# Altium PCB openmv-ae3.PcbDoc (part 2 of 7)
Units mil, origin at the board's own origin, x right, y up, seen from the top; angles counter-clockwise.
Board outline 1001 x 1001 mil, 8 copper layers (TOP, ART2, GND3, ART4, VCC5, GND6, ART7, BOTTOM), stack 65.6 mil thick; 246 components, 168 nets, 1013 pads, 1766 vias.
Unrouted connection lines stored in the file: 233.
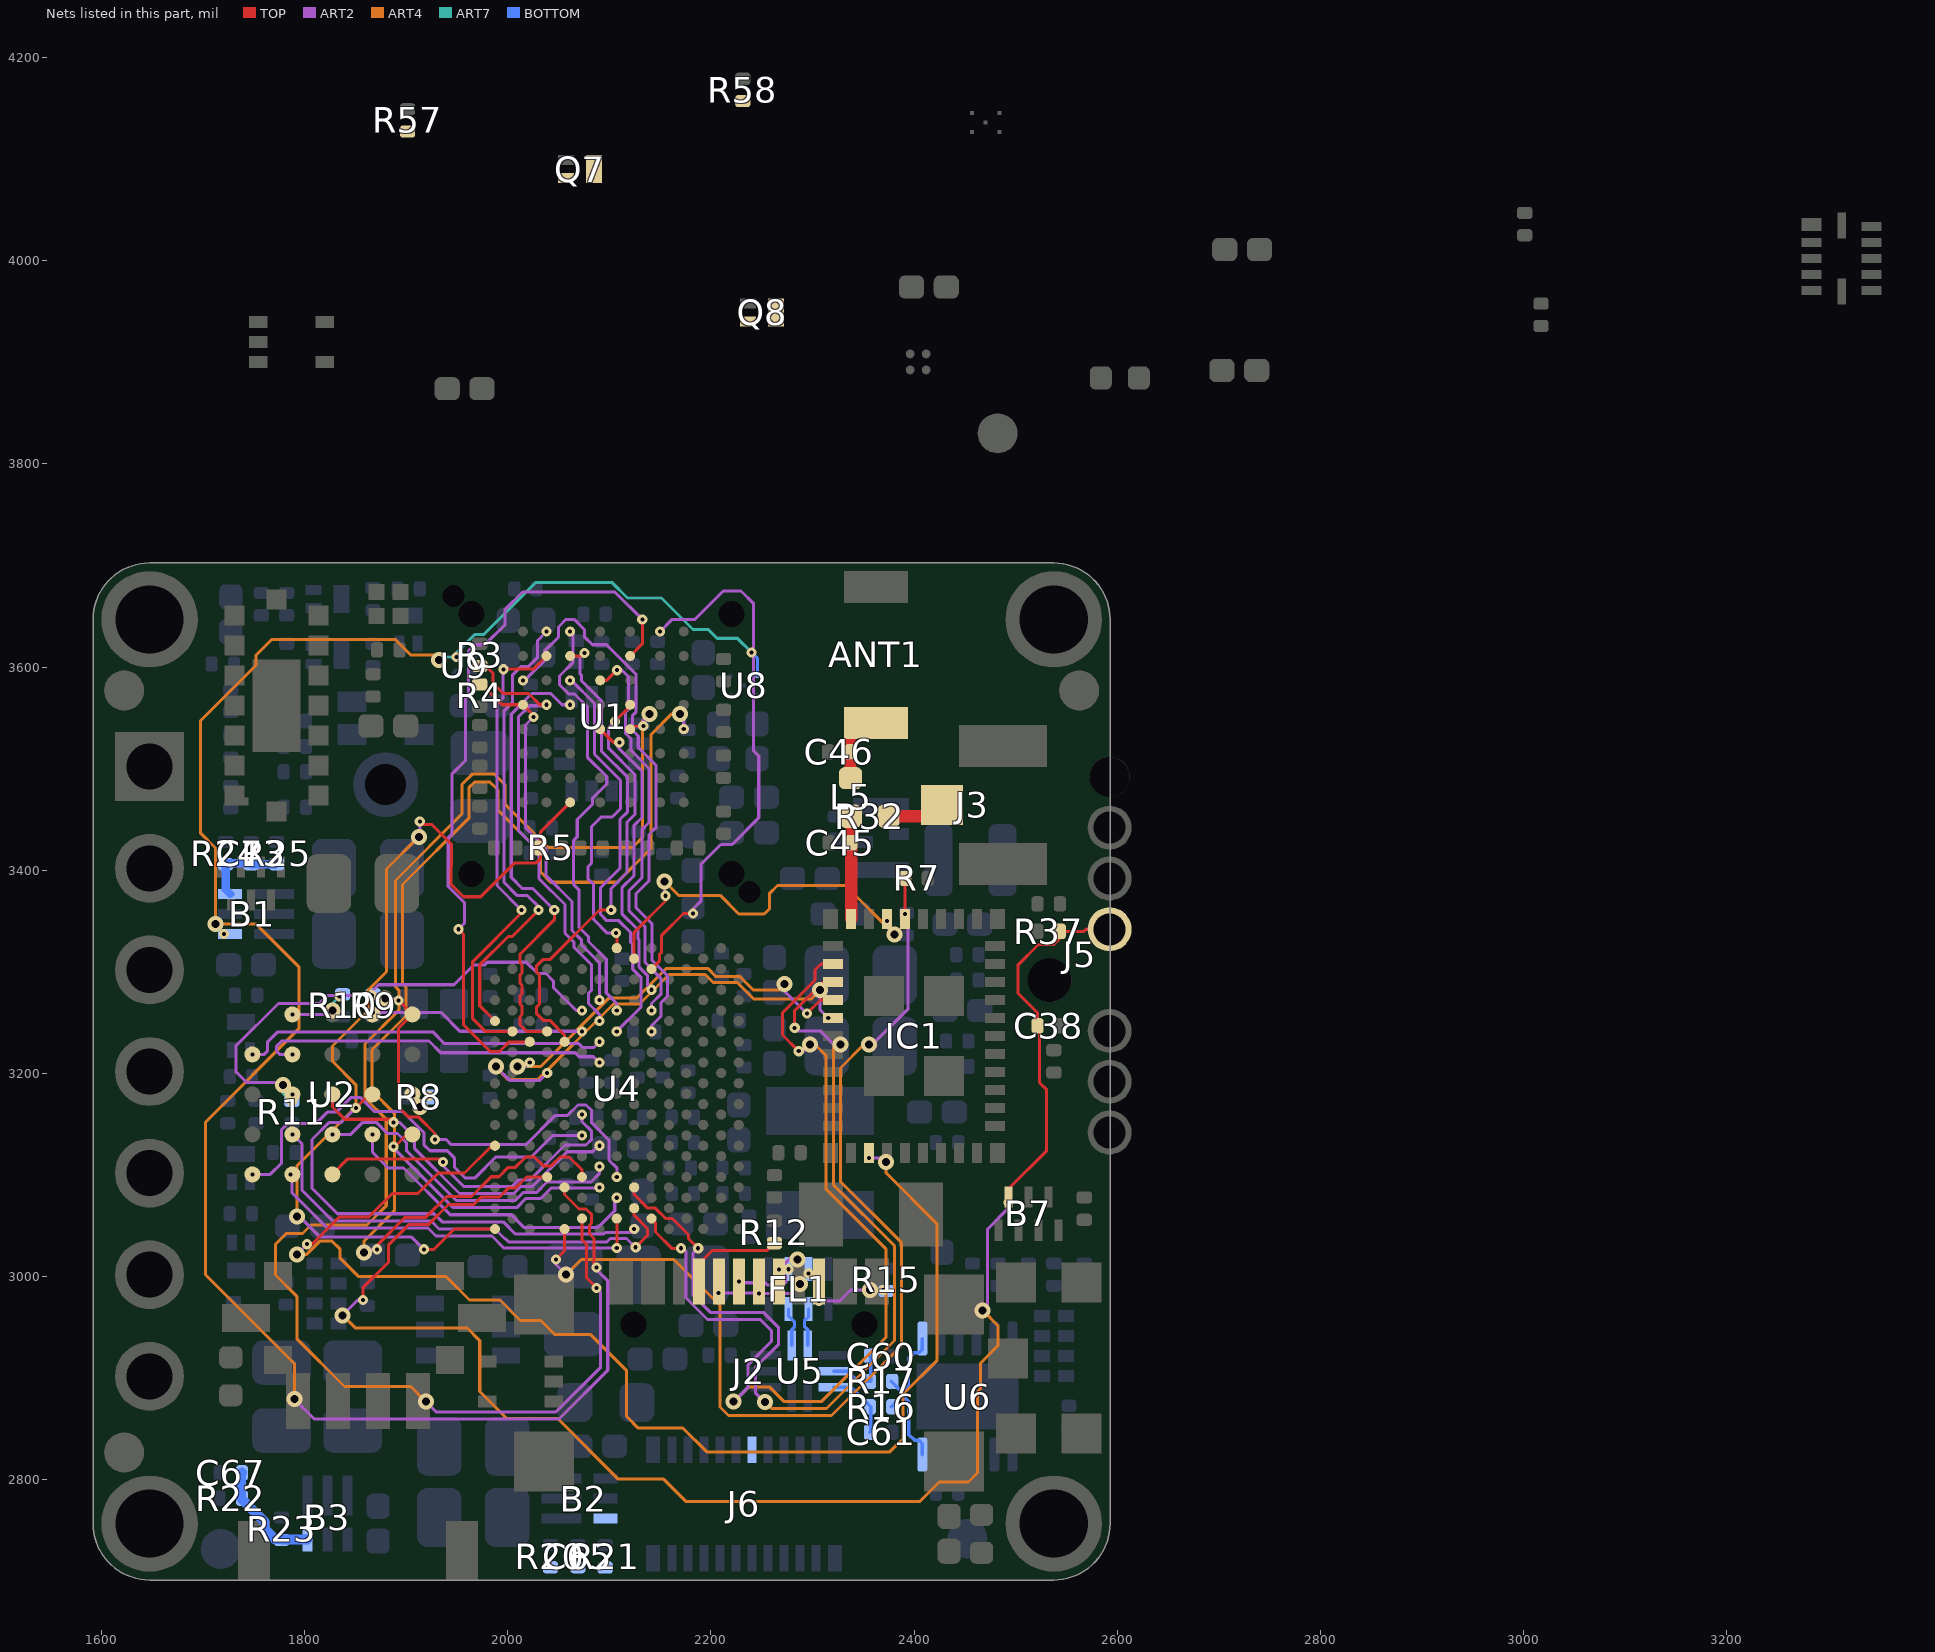
[diagram p8: the nets of this part, all layers, seen from the top]

## Part data
ANT1: "ABRACON - AMCA31-2R450G-S1F-T3 - ANTENNA, CHIP, 2.45GHZ, 50 OHM, 1206   Source:  Datasheet", MANUFACTURER_NAME=ABRACON, DeviceSetName=AMCA31-2R450G-S1F-T3, GateName_1=G$1, HEIGHT=1.4mm, LibraryName=AMCA31-2R450G-S1F-T3, MANUFACTURER_PART_NUMBER=AMCA31-2R450G-S1F-T3, MOUSER_PART_NUMBER=815-CA312R450GS1FT3, MOUSER_PRICE-STOCK=https://www.mouser.co.uk/ProductDetail/ABRACON/AMCA31-2R450G-S1F-T3?qs=AAveGqk956GLuOddQEK40Q%3D%3D, MPN=AMCA31-2R450G-S1F-T3, Part Number=AMCA31-2R450G-S1F-T3, SymbolName_1=AMCA31-2R450G-S1F-T3
B1 B3: library part TPS62826ADMQR, "Switching Voltage Regulators 2.4-V to 5.5-V input, 1-A step-down converter in 1.5-mm 1.5-mm QFN package", MANUFACTURER_NAME="Texas Instruments", Mouser Part Number=595-TPS62824DMQR, Datasheet Link=https://www.ti.com/lit/ds/symlink/tps62825a.pdf?ts=1608196934558&ref_url=https%253A%252F%252Fwww.ti.com%252Fstore%252Fti%252Fen%252Fp%252Fproduct%252F%253Fp%253DTPS62825ADMQR%2526keyMatch%253DTPS62825ADMQR%2526tisearch%253DSearch-EN-everything%2526usecase, Geometry.Height=1mm, MANUFACTURER_PART_NUMBER=TPS62824DMQR, Mouser Price/Stock=https://www.mouser.co.uk/ProductDetail/Texas-Instruments/TPS62826ADMQR?qs=KUoIvG%2F9Ila3pPUbedlDEw%3D%3D, MPN=TPS62824DMQR, Part Number=TPS62824DMQR
B2: library part TPS62826ADMQR, "Switching Voltage Regulators 2.4-V to 5.5-V input, 3-A step-down converter with in 1.5-mm 1.5-mm QFN package", MANUFACTURER_NAME="Texas Instruments", MANUFACTURER_PART_NUMBER=TPS62826DMQR, Mouser Part Number=595-TPS62826DMQR, Datasheet Link=https://www.ti.com/lit/ds/symlink/tps62825a.pdf?ts=1608196934558&ref_url=https%253A%252F%252Fwww.ti.com%252Fstore%252Fti%252Fen%252Fp%252Fproduct%252F%253Fp%253DTPS62825ADMQR%2526keyMatch%253DTPS62825ADMQR%2526tisearch%253DSearch-EN-everything%2526usecase, Geometry.Height=1mm, Mouser Price/Stock=https://www.mouser.co.uk/ProductDetail/Texas-Instruments/TPS62826ADMQR?qs=KUoIvG%2F9Ila3pPUbedlDEw%3D%3D, MPN=TPS62824DMQR, Part Number=TPS62824DMQR
B4 B7: "NEXPERIA - PUSB3TB6AZ - DIODE, ESD PROTECTION, 5.5V, 0.27PF", MANUFACTURER_NAME=Nexperia, Mouser Part Number=771-PUSB3TB6AZ, Datasheet Link=https://assets.nexperia.com/documents/data-sheet/PUSB3TB6.pdf, Geometry.Height=0.5mm, MANUFACTURER_PART_NUMBER=PUSB3TB6AZ, Mouser Price/Stock=https://www.mouser.co.uk/ProductDetail/Nexperia/PUSB3TB6AZ?qs=K2OaAKmNuLgsAI4MRas6Xw%3D%3D, MPN=PUSB3TB6AZ, Part Number=PUSB3TB6AZ
B5 B6: "Dual supply translating transceiver; open drain; auto direction sensing", MANUFACTURER_NAME=Nexperia, Mouser Part Number=771-NXS0102GTX, Datasheet Link=https://assets.nexperia.com/documents/data-sheet/NXS0102.pdf, Geometry.Height=0.5mm, MANUFACTURER_PART_NUMBER=NXS0102GTX, Mouser Price/Stock=https://www.mouser.co.uk/ProductDetail/Nexperia/NXS0102GTX?qs=GBLSl2AkirukzzJX55VgJA%3D%3D, MPN=NXS0102GTX, Part Number=NXS0102GTX
C1 C4 C47 C48 C49 C55 C59 C68 C69 C70 C75 C77 C89 C92 C95 C102 C105 C110 C119: library part CAP0402-CAP, "CapacitorStandard 0603 ceramic capacitor, and 0.1\" leaded capacitor.", MPN=JMK105BBJ475MV-F, DeviceName=0402-CAP, DeviceSetName=CAP, GateName_1=G$1, LibraryName=sfe, Part Number=JMK105BBJ475MV-F, SymbolName_1=CAP
C2 C5 C63 C66 C71 C88 C91 C94 C104: library part 22UF-0805-6.3V-20%, "22ÂµF ceramic capacitors    A capacitor is a passive two-terminal electrical component used to store electrical energy temporarily in an electric field.", MPN=CL21A226MQQNNNE, DeviceName=-0805-6.3V-20%, DeviceSetName=22UF, GateName_1=G$1, LibraryName=SparkFun-Capacitors, PROD_ID=CAP-08402, SymbolName_1=CAP
  C2 C63 C66 C71 C88 C91 C94 C104: Part Number=CL21A226MQQNNNE
C3 C7 C8 C11 C12 C13 C14 C15 C16 C17 C18 C19 C21 C23 C24 C25 C26 C27 C28 C29 C31 C33 C37 C38 C39 C40 C41 C42 C43 C44 C50 C51 C54 C56 C57 C58 C62 C76 C79 C80 C81 C83 C84 C85 C86 C90 C93 C96 C97 C98 C99 C100 C101 C103 C106 C107 C108 C111 C117 C118 C121 C122: library part C-EUC0201, "CAPACITOR, European symbol", MPN=GRM033R60J224ME15D, DeviceName=C0201, DeviceSetName=C-EU, GateName_1=G$1, LibraryName=rcl, Part Number=GRM033R60J224ME15D, POPULARITY=0, SPICEPREFIX=C, SymbolName_1=C-EU
C6 C9 C10 C72 C74 C78 C82 C120 C123 C124 C125: library part CAP_0402, "0402 (1005 Metric) Nick Garner - TeleSense", MPN=JMK105BBJ475MV-F, DeviceSetName=CAP_0402, GateName_1=G$1, LibraryName=0402, SymbolName_1=CAP
C20 C22 C34 C35: library part C-EUC0201, "CAPACITOR, European symbol", DeviceName=C0201, DeviceSetName=C-EU, GateName_1=G$1, LibraryName=rcl, MPN=DNP, Part Number=DNP, POPULARITY=0, SPICEPREFIX=C, SymbolName_1=C-EU
C30 C32 C36: library part CAP_0402, "0402 (1005 Metric) Nick Garner - TeleSense", MPN=CL05A225MQ5NNNC, DeviceSetName=CAP_0402, GateName_1=G$1, LibraryName=0402, SymbolName_1=CAP
C45: "Chip Capacitor value 1R5   Source:  Datasheet", MANUFACTURER_NAME="Murata Electronics", DeviceSetName=GRM0335C1H1R5BA01D, GateName_1=G$1, HEIGHT=0.33mm, LibraryName=GRM0335C1H1R5BA01D, MANUFACTURER_PART_NUMBER=GRM0335C1H1R5BA01D, MOUSER_PART_NUMBER=81-GRM0335C1H1R5BA1D, MOUSER_PRICE-STOCK=https://www.mouser.co.uk/ProductDetail/Murata-Electronics/GRM0335C1H1R5BA01D?qs=7vGxPDjevFPFqveGwv%252BPUQ%3D%3D, MPN=GRM0335C1H1R5BA01D, Part Number=GRM0335C1H1R5BA01D, SymbolName_1=GRM0335C1H1R5BA01D
C46: library part GRM0335C1H1R5BA01D, "Chip Capacitor value 1R5   Source:  Datasheet", MANUFACTURER_NAME="Murata Electronics", DeviceSetName=GRM0335C1H1R5BA01D, GateName_1=G$1, HEIGHT=0.33mm, LibraryName=GRM0335C1H1R5BA01D, MANUFACTURER_PART_NUMBER=GRM0335C1H1R5BA01D, MOUSER_PART_NUMBER=81-GRM0335C1H1R5BA1D, MOUSER_PRICE-STOCK=https://www.mouser.co.uk/ProductDetail/Murata-Electronics/GRM0335C1H1R5BA01D?qs=7vGxPDjevFPFqveGwv%252BPUQ%3D%3D, MPN=DNP, Part Number=DNP, POPULATE=0, SymbolName_1=GRM0335C1H1R5BA01D
C52: library part CAP0402-CAP, "Capacitor", MPN=VJ0402Y102JXACW1BC, DeviceName=0402-CAP, DeviceSetName=CAP, GateName_1=G$1, LibraryName=sfe, Part Number=VJ0402Y102JXACW1BC, SymbolName_1=CAP
C53: library part C-EUC0201, "CAPACITOR, European symbol", MPN=0402B103K250CT, DeviceSetName=C-EU, GateName_1=G$1, LibraryName=rcl, Part Number=0402B103K250CT, POPULARITY=0, SPICEPREFIX=C, SymbolName_1=C-EU
C60 C61: library part C-EUC0201, "CAPACITOR, European symbol", MPN=GRM0335C1H470GA01J, DeviceName=C0201, GateName_1=G$1, Part Number=GRM0335C1H470GA01J, POPULARITY=0, SPICEPREFIX=C, SymbolName_1=C-EU
C64: library part CAP0402-CAP, "CapacitorStandard 0603 ceramic capacitor, and 0.1\" leaded capacitor.", MPN=CL05A475MP5NRNC, DeviceName=0402-CAP, DeviceSetName=CAP, GateName_1=G$1, LibraryName=sfe, Part Number=CL05A475MP5NRNC, SymbolName_1=CAP
C65 C67 C73: library part CAP0402-CAP, MPN=GRM033R71H121KA12D, DeviceSetName=CAP, GateName_1=G$1, LibraryName=sfe, Part Number=GRM033R71H121KA12D, SymbolName_1=CAP
C87: library part CAP0402-CAP, "CapacitorStandard 0603 ceramic capacitor, and 0.1\" leaded capacitor.", MPN=CL05A225MQ5NNNC, DeviceName=0402-CAP, DeviceSetName=CAP, GateName_1=G$1, LibraryName=sfe, Part Number=CL05A225MQ5NNNC, SymbolName_1=CAP
C109 C112 C113 C114 C115 C116: library part C-EUC0201, "CAPACITOR, European symbol", MPN=CL03A105MQ3CSNC, DeviceName=C0201, DeviceSetName=C-EU, GateName_1=G$1, LibraryName=rcl, Part Number=CL03A105MQ3CSNC, POPULARITY=0, SPICEPREFIX=C, SymbolName_1=C-EU
D1 D6: library part DF5A5.6CJE,LM, "Diode", MANUFACTURER_NAME=Toshiba, Mouser Part Number=757-DF5A6.2CJE,LM, Arrow Part Number=DF5A6.2CJE,LM, HEIGHT=0.6mm, MANUFACTURER_PART_NUMBER=DF5A6.2CJE,LM, MPN=DF5A6.2CJE,LM, Part Number=DF5A6.2CJE,LM
D2: "Diode", MANUFACTURER_NAME="Texas Instruments", MANUFACTURER_PART_NUMBER=c, Mouser Part Number=595-LM66100DCKR, Arrow Part Number=LM66100DCKR, Arrow Price/Stock=null?region=nac, Datasheet Link=http://www.ti.com/lit/gpn/LM66100, HEIGHT=1.1mm, Mouser Price/Stock=https://www.mouser.co.uk/ProductDetail/Texas-Instruments/LM66100DCKR?qs=vLWxofP3U2y2yPPrXoBBoA%3D%3D, MPN=LM66100DCKR, Part Number=LM66100DCKR
D3: "LED RGB SMD, SIZE 1 X 1 mm Check availability", MPN=UHD1110-FKA-CL1A13r3q1BBQFMF3, PACKAGE="0404 Cree Inc.", AVAILABILITY="In Stock", DeviceSetName=UHD1110-FKA-CL1A13R3Q1BBQFMF3, GateName_1=G$1, LibraryName=UHD1110-FKA-CL1A13R3Q1BBQFMF3, MF="Cree Inc.", MP=UHD1110-FKA-CL1A13R3Q1BBQFMF3, Part Number=UHD1110-FKA-CL1A13r3q1BBQFMF3, PRICE=None, PURCHASE-URL=https://pricing.snapeda.com/search/part/UHD1110-FKA-CL1A13R3Q1BBQFMF3/?ref=eda, SymbolName_1=UHD1110-FKA-CL1A13R3Q1BBQFMF3
D4 D5: "ESD Suppressors / TVS Diodes DIODE ESD 5VWM 65W 0402/SOD-923F   Source:  Datasheet", MANUFACTURER_NAME="Comchip Technology", DeviceSetName=CPDQT5V0HE-HF, GateName_1=G$1, HEIGHT=0.42mm, LibraryName=CPDQT5V0HE-HF, MANUFACTURER_PART_NUMBER=CPDQT5V0HE-HF, MOUSER_PART_NUMBER=MOUSER_PART_NUMBER, MOUSER_PRICE-STOCK=MOUSER_PRICE-STOCK, MPN=CPDQT5V0HE-HF, Part Number=CPDQT5V0HE-HF, SymbolName_1=CPDQT5V0HE-HF
FD1 FD2 FD3 FD4 FD5 FD6 FD7 FD8: "Fiducial Alignment Points    Point-of-reference for pick-and-place machines and other optical instruments.", DeviceName=1X2, DeviceSetName=FIDUCIAL, GateName_1=G$1, LibraryName=SparkFun-Aesthetics, SymbolName_1=FIDUCIAL
FL1: "Common Mode Filter & ESD Prot. USB uQFN8 STMicroelectronics ECMF02 Series, Signal Filter uQFN SMD, Flat Contact Termination, 2.6 x 1.3 x 0.6mm   Source:  Datasheet", MANUFACTURER_NAME=STMicroelectronics, DeviceSetName=ECMF02-4CMX8, GateName_1=G$1, HEIGHT=mm, LibraryName=ECMF02-4CMX8, MANUFACTURER_PART_NUMBER=ECMF02-4CMX8, MOUSER_PART_NUMBER=511-ECMF02-4CMX8, MOUSER_PRICE-STOCK=https://www.mouser.co.uk/ProductDetail/STMicroelectronics/ECMF02-4CMX8?qs=xYt8xtm2zhmK7GoDlDZR3A%3D%3D, MPN=ECMF02-4CMX8, Part Number=ECMF02-4CMX8, SymbolName_1=ECMF02-4CMX8
IC1: "Integrated Circuit", MANUFACTURER_NAME="Murata Electronics", Mouser Part Number=81-LBEE5KL1YN-814, Arrow Part Number=LBEE5KL1YN-814, Arrow Price/Stock=https://www.arrow.com/en/products/lbee5kl1yn-814/murata-manufacturing?region=nac, Datasheet Link=https://www.murata.com/products/productdata/8815814344734/type1yn.pdf, HEIGHT=1.1mm, MANUFACTURER_PART_NUMBER=LBEE5KL1YN-814, Mouser Price/Stock=https://www.mouser.co.uk/ProductDetail/Murata-Electronics/LBEE5KL1YN-814?qs=TCDPyi3sCW1FrH0sh%252Bb5wA%3D%3D, MPN=LBEE5KL1YN-814, Part Number=LBEE5KL1YN-814
IC2: "Integrated Circuit", Arrow Part Number=VL53L5CXV0GC/1, MANUFACTURER_NAME=STMicroelectronics, Mouser Part Number=511-VL53L5CXV0GC/1, Arrow Price/Stock=https://www.arrow.com/en/products/vl53l5cxv0gc1/stmicroelectronics?region=nac, Datasheet Link=https://www.arrow.com/en/products/vl53l5cxv0gc1/stmicroelectronics?region=nac, HEIGHT=1.55mm, MANUFACTURER_PART_NUMBER=VL53L5CXV0GC/1, Mouser Price/Stock=https://www.mouser.co.uk/ProductDetail/STMicroelectronics/VL53L5CXV0GC-1?qs=QNEnbhJQKvZPmRJw6ASPyw%3D%3D, MPN=VL53L5CXV0GC/1, Part Number=VL53L5CXV0GC/1
IC3: "Integrated Circuit", MANUFACTURER_NAME=TDK, Mouser Part Number=410-MMICT3902-00-012, Arrow Part Number=MMICT3902-00-012, Arrow Price/Stock=https://www.arrow.com/en/products/mmict3902-00-012/invensense?region=nac, Datasheet Link=http://invensense.tdk.com/wp-content/uploads/2020/05/DS-000357-T3902-v1.0.pdf, HEIGHT=1.13mm, MANUFACTURER_PART_NUMBER=MMICT3902-00-012, Mouser Price/Stock=https://www.mouser.co.uk/ProductDetail/TDK-InvenSense/MMICT3902-00-012?qs=yqaQSyyJnNi1lpqXyrpxOA%3D%3D, MPN=MMICT3902-00-012, Part Number=MMICT3902-00-012
IC4: "Integrated Circuit", MANUFACTURER_NAME=Nexperia, Mouser Part Number=771-NXS0104GU12X, Arrow Part Number=NXS0104GU12X, Arrow Price/Stock=https://www.arrow.com/en/products/nxs0104gu12x/nexperia?region=nac, Datasheet Link=https://assets.nexperia.com/documents/data-sheet/NXS0104.pdf, HEIGHT=0.5mm, MANUFACTURER_PART_NUMBER=NXS0104GU12X, Mouser Price/Stock=https://www.mouser.co.uk/ProductDetail/Nexperia/NXS0104GU12X?qs=vLWxofP3U2wjXG0CJIIyyA%3D%3D, MPN=NXS0104GU12X, Part Number=NXS0104GU12X
J1: library part CMP-026-000000-1, "SH Series 1.0 mm Pitch 2 Position Single Row Side Entry Shrouded Header", PACKAGE=None, AVAILABILITY=Unavailable, Component Type=Standard, Design Item ID=SM04B-SRSS-TB(LF)(SN), MP=SM04B-SRSS-TB(LF)(SN), MPN=SM04B-SRSS-TB(LF)(SN), Part Number=SM04B-SRSS-TB(LF)(SN), Pin Count=6, PRICE=None, Source=SM04B-SRSS-TB(LF)(SN).SchLib
J2: "Connector", MANUFACTURER_NAME="Amphenol Communications Solutions", Datasheet Link=https://cdn.amphenol-cs.com/media/wysiwyg/files/drawing/gsb1c41x10sshr-ax1.pdf, HEIGHT=3.41mm, MANUFACTURER_PART_NUMBER=GSB1C41110SSHR, MPN=GSB1C41110SSHR, Part Number=GSB1C41110SSHR
J3: library part 2337019-1, "RF Connectors / Coaxial Connectors MicroCoax receptacle UMCC Gen 1   Source:  Datasheet", MANUFACTURER_NAME="TE Connectivity", DeviceSetName=2337019-1, GateName_1=G$1, HEIGHT=1.4mm, LibraryName=2337019-1, MANUFACTURER_PART_NUMBER=2337019-1, MOUSER_PART_NUMBER=571-2337019-1, MOUSER_PRICE-STOCK=https://www.mouser.co.uk/ProductDetail/TE-Connectivity/2337019-1?qs=l4Gc20tDgJIuN7nS9rJkJw%3D%3D, MPN=DNP, Part Number=DNP, POPULATE=0, SymbolName_1=2337019-1
J4: library part M20-9770746, "Connector", MANUFACTURER_NAME=Harwin, Mouser Part Number=855-M20-9770746, Datasheet Link=https://cdn.harwin.com/pdfs/M20-977.pdf, HEIGHT=8.44mm, MANUFACTURER_PART_NUMBER=M20-9770746, Mouser Price/Stock=https://www.mouser.co.uk/ProductDetail/Harwin/M20-9770746?qs=Jph8NoUxIfW4IDi91nhySw%3D%3D, MPN=DNP, Part Number=DNP
J5: "Tag-Connect Edge-Connect ECV3-06 No-Solder Debug Castellated Pads Connector DO NOT PLACE NO BOM"
J6: "Connector", Arrow Part Number=DF40C-20DP-0.4V(51), MANUFACTURER_NAME=Hirose, Mouser Part Number=798-DF40C20DP0.4V51, Arrow Price/Stock=https://www.arrow.com/en/products/df40c-20dp-0.4v-51/hirose-electric, Datasheet Link=https://datasheet.datasheetarchive.com/originals/distributors/Datasheets-DGA17/1059795.pdf, HEIGHT=1.29mm, MANUFACTURER_PART_NUMBER=DF40C-20DP-0.4V(51), Mouser Price/Stock=https://www.mouser.co.uk/ProductDetail/Hirose-Connector/DF40C-20DP-0.4V51?qs=eDUdFcBPps31lPFyZ%252BXRFg%3D%3D, MPN=DF40C-20DP-0.4V(51), Part Number=DF40C-20DP-0.4V(51)
L1: "Ind,3.2x2.5x1mm,2.2uH?20%,4A,shd", MANUFACTURER_NAME=Bourns, Mouser Part Number=652-SRP3212-2R2M, Datasheet Link=https://www.bourns.com/pdfs/CVH.pdf, Geometry.Height=1mm, MANUFACTURER_PART_NUMBER=SRP3212-2R2M, Mouser Price/Stock=https://www.mouser.co.uk/ProductDetail/Bourns/SRP3212-2R2M?qs=t7xnP681wgW9NT%2FfJNx1CA%3D%3D, MPN=SRP3212-2R2M, Part Number=SRP3212-2R2M
L5: library part INDUCTOR-0402-3.9NH, "Inductors    Resist changes in electrical current. Basically a coil of wire.   SparkFun Products:  SparkFun Load Cell Amplifier - HX711  IOIO-OTG - V2.2", MPN=L-07C3N9SV6T, DeviceName=-0402-3.9NH, DeviceSetName=INDUCTOR, GateName_1=G$1, LibraryName=SparkFun-Coils, Part Number=L-07C3N9SV6T, PROD_ID=NDUC-13457, SymbolName_1=INDUCTOR
L6: "INDUCTOR, METAL CORE Check availability", PACKAGE="2016 Taiyo Yuden", AVAILABILITY="In Stock", DeviceSetName=MAKK2016T2R2M, GateName_1=G$1, LibraryName=MAKK2016T2R2M, MF="Taiyo Yuden", MP=MAKK2016T2R2M, MPN=MAKK2016T2R2M, Part Number=MAKK2016T2R2M, PRICE=None, PURCHASE-URL=https://pricing.snapeda.com/search/part/MAKK2016T2R2M/?ref=eda, SymbolName_1=MAKK2016T2R2M
L7: library part INDUCTOR, "InductorsBasic Inductor/Choke - 0603 and 1206. Footprints are not proven and vary greatly between part numbers.", GateName_1=G$1, MPN=MFBM1V1608-101-R, Part Number=MFBM1V1608-101-R
L8 L9 L10: library part CMP-00002-1, "Power Inductor : LxW size(mm) 2012 Thickness1 Inductance (uH) 20%: 0.47", Case Code (Imperial)=0805, Case Code (Metric)=2012, Current Rating=3.6A, DC Resistance (DCR)=31mR, Max Operating Temperature=125°C, Min Operating Temperature=-40°C, Saturation Current=5.4A, Test Frequency=1MHz, Tolerance=20%, Case/Package=0805, Core Material=Metal,Composite, Mounting Technology="Surface Mount", MPN=CIGT201210UHR47MNE, Packaging="Cut Tape", Part Number=CIGT201210UHR47MNE, RoHS Compliant=Yes, Series=CIGT, Shielding=Unshielded
M1: library part M7_M8_LENS_MOUNT
Q1 Q2 Q3 Q4 Q5 Q6 Q7 Q8: MPN=SSM3K56ACT,L3F, Part Number=SSM3K56ACT,L3F
R1 R2 R5 R9 R11 R13 R19 R21 R23 R24 R25 R33 R34 R35 R40 R44 R45 R46 R49 R50 R51 R54 R56: library part RESISTOR0402-RES, MPN=RMCF0201FT100K, DeviceSetName=RESISTOR, GateName_1=G$1, LibraryName=sfe, Part Number=RMCF0201FT100K, SymbolName_1=RESISTOR
R3 R4 R29 R30 R57 R58: library part RESISTOR0402-RES, MPN=RC0201JR-072K7L, DeviceSetName=RESISTOR, GateName_1=G$1, LibraryName=sfe, Part Number=RC0201JR-072K7L, SymbolName_1=RESISTOR
R6 R7 R18 R36 R37 R52 R53: library part RESISTOR0402-RES, MPN=RMCF0201FT10K0, DeviceSetName=RESISTOR, GateName_1=G$1, LibraryName=sfe, Part Number=RMCF0201FT10K0, SymbolName_1=RESISTOR
R8 R10: library part RESISTOR0402-RES, DeviceSetName=RESISTOR, GateName_1=G$1, LibraryName=sfe, MPN=DNP, Part Number=DNP, SymbolName_1=RESISTOR
R12 R15 R43: library part RESISTOR0402-RES, "ResistorBasic schematic elements and footprints for 0603, 1206, and PTH resistors.", MPN=AC0201FR-075K1L, DeviceSetName=RESISTOR, GateName_1=G$1, LibraryName=sfe, Part Number=AC0201FR-075K1L, SymbolName_1=RESISTOR
R14: library part RESISTOR0402-RES, "Resistor", MPN=CRCW04021M00FKEDC, DeviceName=0402-RES, DeviceSetName=RESISTOR, GateName_1=G$1, LibraryName=sfe, Part Number=CRCW04021M00FKEDC, SymbolName_1=RESISTOR
R16 R17: library part RESISTOR0402-RES, MPN=RC0201JR-0727RL, DeviceSetName=RESISTOR, GateName_1=G$1, LibraryName=sfe, Part Number=RC0201JR-0727RL, SymbolName_1=RESISTOR
R20: library part RESISTOR0402-RES, MPN=ERJ-1GNF4533C, DeviceSetName=RESISTOR, GateName_1=G$1, LibraryName=sfe, Part Number=ERJ-1GNF4533C, SymbolName_1=RESISTOR
R22: library part RESISTOR0402-RES, MPN=RC0201JR-07200KL, DeviceSetName=RESISTOR, GateName_1=G$1, LibraryName=sfe, Part Number=RC0201JR-07200KL, SymbolName_1=RESISTOR
R26 R27 R28 R31: library part RESISTOR0402-RES, MPN=RMCF0201FT47K0, DeviceSetName=RESISTOR, GateName_1=G$1, LibraryName=sfe, Part Number=RMCF0201FT47K0, SymbolName_1=RESISTOR
R32: library part RESISTOR0402-RES, "Resistor", DeviceName=0402-RES, DeviceSetName=RESISTOR, GateName_1=G$1, LibraryName=sfe, MPN=DNP, Part Number=DNP, SymbolName_1=RESISTOR
R38 R39: library part RESISTOR0402-RES, MPN=CR0201-FW-2000GLF, DeviceSetName=RESISTOR, GateName_1=G$1, LibraryName=sfe, Part Number=CR0201-FW-2000GLF, SymbolName_1=RESISTOR
R41: library part RESISTOR0402-RES, "ResistorBasic schematic elements and footprints for 0603, 1206, and PTH resistors.", MPN=RMCF0201FT1K00, DeviceSetName=RESISTOR, GateName_1=G$1, LibraryName=sfe, Part Number=RMCF0201FT1K00, SymbolName_1=RESISTOR
R42: library part RESISTOR0402-RES, "ResistorBasic schematic elements and footprints for 0603, 1206, and PTH resistors.", MPN=RMCF0201FT10K0, DeviceSetName=RESISTOR, GateName_1=G$1, LibraryName=sfe, Part Number=RMCF0201FT10K0, SymbolName_1=RESISTOR
R47: library part RESISTOR0402-RES, MPN=RMCF0201JT10R0, DeviceSetName=RESISTOR, GateName_1=G$1, LibraryName=sfe, Part Number=RMCF0201JT10R0, SymbolName_1=RESISTOR
R48: library part RESISTOR0402-RES, MPN=RMCF0201FT1K00, DeviceSetName=RESISTOR, GateName_1=G$1, LibraryName=sfe, Part Number=RMCF0201FT1K00, SymbolName_1=RESISTOR
S1: "Switch", MANUFACTURER_NAME="Nidec Copal", Mouser Part Number=229-CVS-01TB, Arrow Part Number=CVS-01TB, Arrow Price/Stock=https://www.arrow.com/en/products/cvs-01tb/nidec-copal-electronics, Datasheet Link=https://www.mouser.com/datasheet/2/972/cvs-1827291.pdf, HEIGHT=1.45mm, MANUFACTURER_PART_NUMBER=CVS-01TB, Mouser Price/Stock=https://www.mouser.co.uk/ProductDetail/Nidec-Components/CVS-01TB?qs=XeJtXLiO41SVso1ahlfkxQ%3D%3D, MPN=CVS-01TB, Part Number=CVS-01TB
U2: library part IS25WX256-JHLE, "IC, Flash,32MB x 8, Octal SPI, Ind Temp, 1.8V,24-BGA", MF=ISSI, MPN=MX25UM25645GXDI00-T, Part Number=MX25UM25645GXDI00-T
U3 U8: library part CMP-079-000000-1, "Linear Voltage Regulator IC Positive Fixed 1 Output 200mA 4-SDFN (0.8x0.8)", PACKAGE="XFDFN-4 Toshiba", AVAILABILITY="In Stock", Component Type=Standard, Design Item ID=TCR2LN28,LF(SE, MF="Toshiba Semiconductor", MP=TCR2LN28,LF(SE, MPN=TCR2LN28,LF(SE, Part Number=TCR2LN28,LF(SE, Pin Count=5, PRICE=None, Source=TCR2LN30_LF.SchLib